# Allegro board HI3516AREFB VER.D.brd
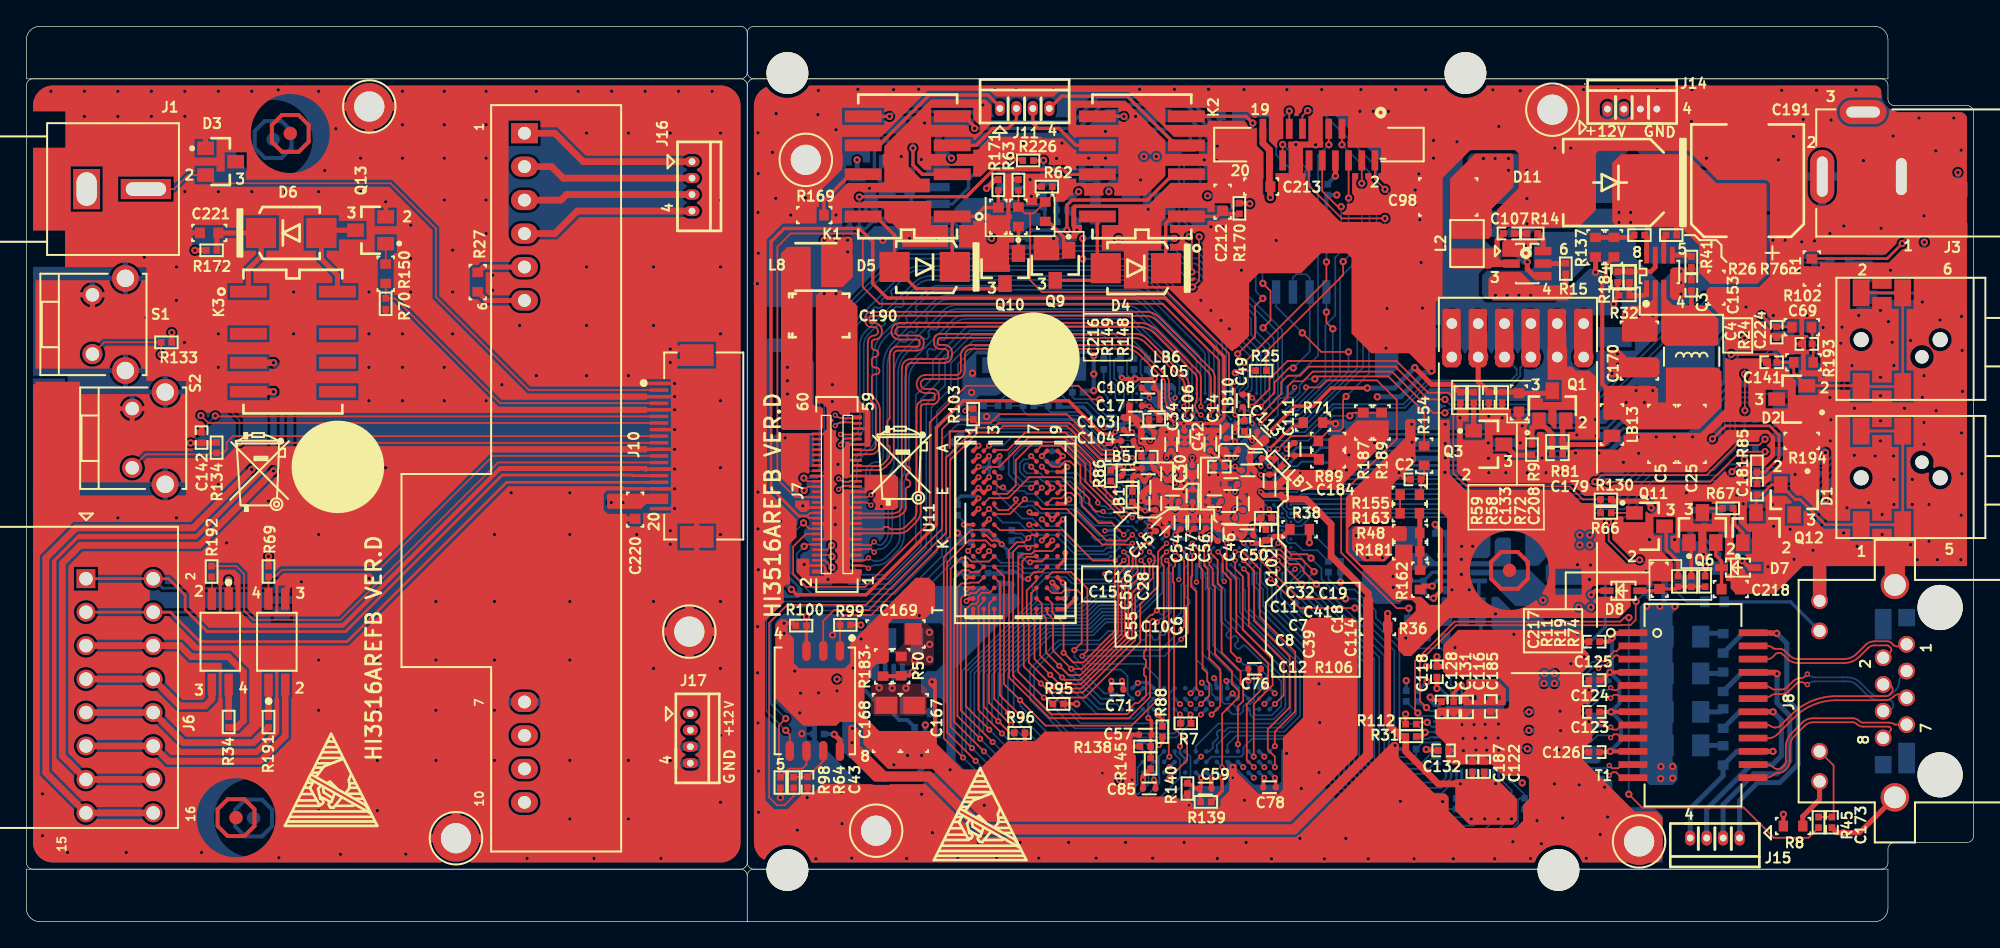
[diagram p0: board, top side]
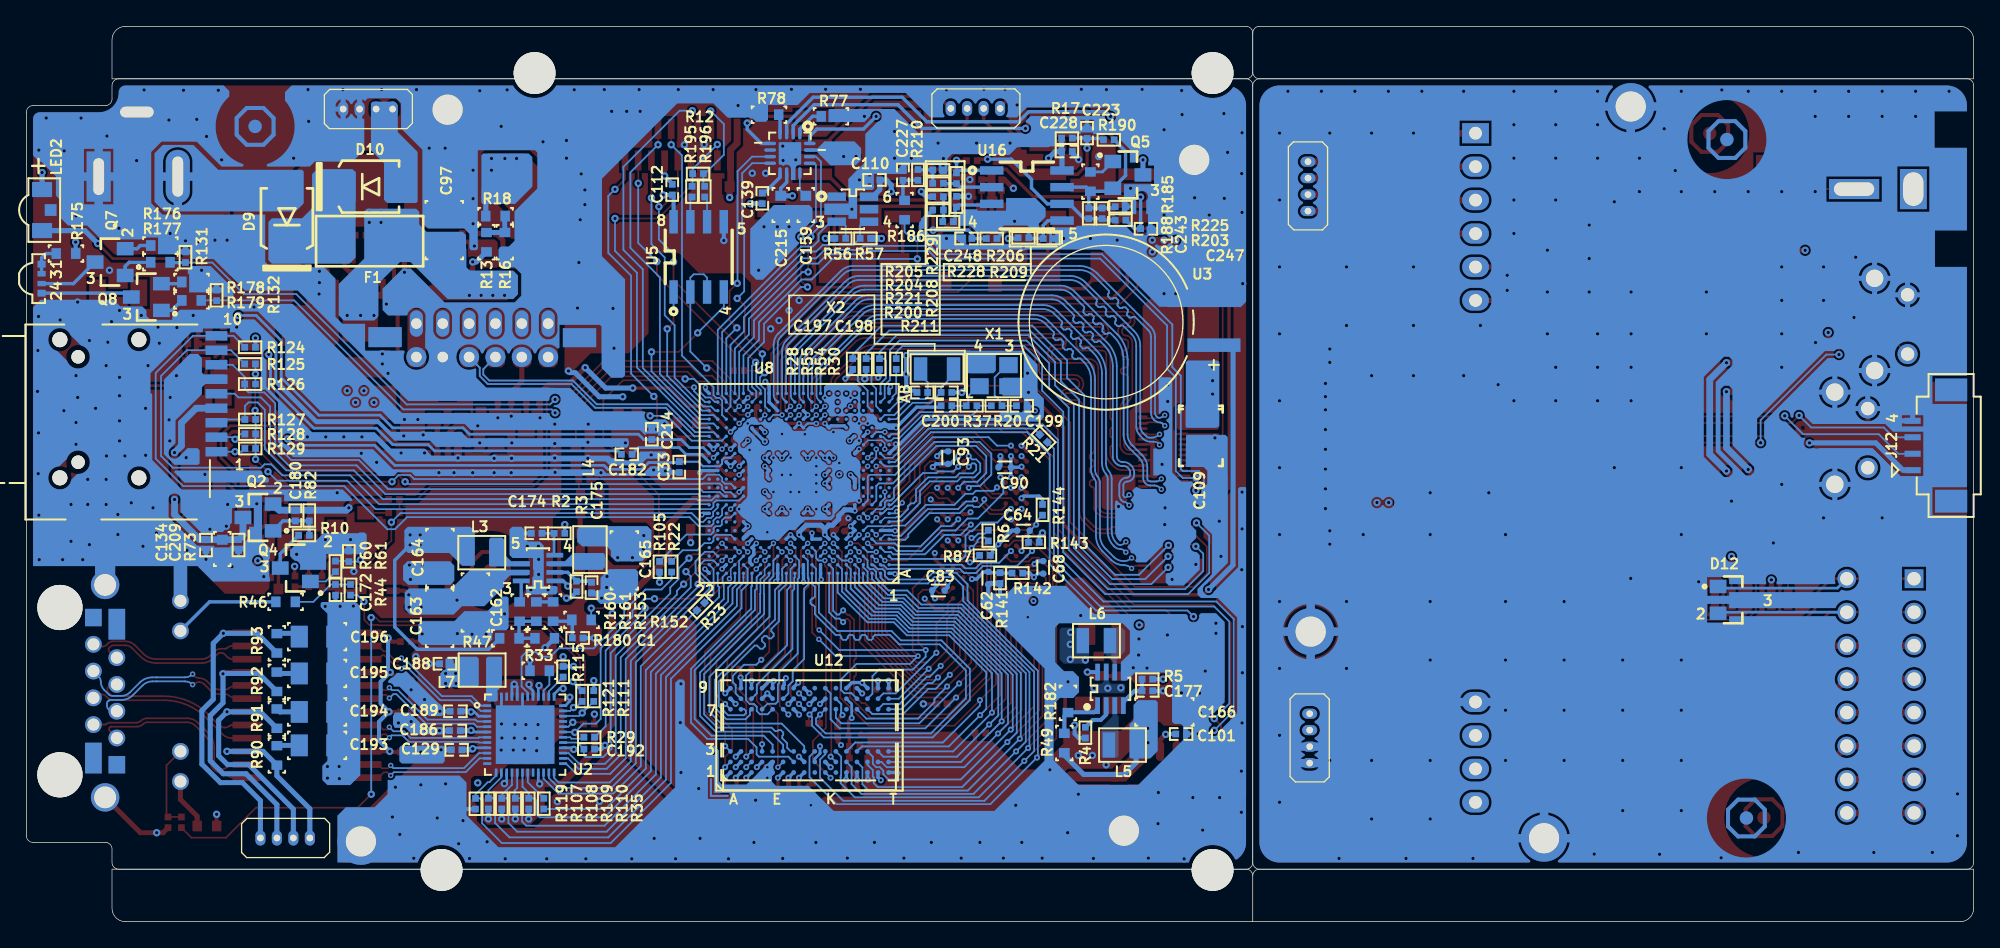
[diagram p1: board, bottom side, seen from below]

Outline 147.74 x 67.97 mm; copper layers: TOP, POWER02, GND03, BOTTOM. Coordinates in mm from the lower left corner of the outline.
Outline path: 54.19,3.98 0,3.98 0,1.02 arc(0.3,0.3) 1.02,0 54.69,0 ; 54.19,3.98 0.51,3.98 arc(0.15,4.13) 0,4.49 0,63.48 arc(0.15,63.84) 0.51,63.98 54.19,63.98 ; 54.19,3.98 arc(54.55,3.84) 54.69,3.48 ; 54.19,3.98 arc(54.55,4.13) 54.69,4.49 ; 54.19,63.98 0,63.98 0,66.95 arc(0.3,67.67) 1.02,67.97 54.19,67.97 arc(54.55,67.82) 54.69,67.46 ; 54.19,63.98 arc(54.55,63.84) 54.69,63.48 ; 54.19,63.98 arc(54.55,64.13) 54.69,64.49 ; 54.69,0 54.69,3.48 ; 54.69,0 140.23,0 arc(140.94,0.3) 141.24,1.02 141.24,3.98 55.2,3.98 ; 54.69,67.46 54.69,64.49 ; 54.69,67.46 arc(54.84,67.82) 55.2,67.97 140.23,67.97 arc(140.94,67.67) 141.24,66.95 141.24,63.98 55.2,63.98 ; 54.69,67.46 54.69,64.49 ; 54.69,63.48 54.69,4.49 ; 54.69,63.48 arc(54.84,63.84) 55.2,63.98 ; 54.69,63.48 54.69,4.49 ; 54.69,3.48 arc(54.84,3.84) 55.2,3.98 ; 54.69,64.49 arc(54.84,64.13) 55.2,63.98 ; 54.69,4.49 arc(54.84,4.13) 55.2,3.98 ; 55.2,63.98 140.73,63.98 arc(141.09,63.84) 141.24,63.48 141.24,62.46 arc(141.39,62.1) 141.75,61.95 147.23,61.95 arc(147.59,61.8) 147.74,61.44 147.74,6.52 arc(147.59,6.16) 147.23,6.02 141.75,6.02 arc(141.39,5.87) 141.24,5.51 141.24,4.49 arc(141.09,4.13) 140.73,3.98 55.2,3.98

## Design rules (mm)
constraint set DEFAULT: min track width 0.127
net group $5N57: nets 12V0 $5N57
net group $5N390: nets 1V8 $5N390
net group $5N494: nets $5N494 $5N578
net group $5N521: nets $5N521 $5N524
net group $9N11: nets $9N9 $9N11
net group $9N193: nets $9N193 EPHY_CLK
net group $9N253: nets $9N253 RGMII_TX_CLK
net group $9N273: nets $9N273 MDCK
net group $9N302: nets $9N302 SYS_RSTN_OUT
net group $9N313: nets $9N313 SFC_CLK/SFC_BOOT_MODE
net group $10N55: nets $10N55 SENSOR_CLK
net group $11N297: nets $11N297 FLASH_TRIG
net group $12N30: nets $12N30 RGMII_RX_CLK
net group $12N424: nets $12N424 POE_VB2
net group $12N434: nets $12N434 POE_VB1
net group $12N437: nets $12N437 POE_VA2
net group $12N444: nets $12N444 POE_VA1
net group $14N24: nets $14N24 LED1_LINKE/PHY_AD1
net group $14N29: nets $14N29 LED0_ACTIVE/PHY_AD0
net group $15N48: nets $15N48 $15N51
net group $15N50: nets $15N50 SDIO1_CARD_POWER_EN
net group $16N171: nets $16N171 DC_IRIS_PWM
net group $18N72: nets $18N72 LED2
net group $18N416: nets $18N416 MUTE
net group $18N425: nets $18N425 $18N427
net group $18N440: nets $18N440 $18N442
net group $18N491: nets $18N491 AC_MICBIAS
net group $19N66: nets $19N66 FLASH_CON
net group $19N229: nets $19N229 $19N230
net group DDR3_CLK0: nets DDR3_CLK0_N DDR3_CLK0_P
net group DDR3_CLK1: nets DDR3_CLK1_N DDR3_CLK1_P
net group DDR3_DQS0: nets DDR3_DQS0_N DDR3_DQS0_P
net group DDR3_DQS1: nets DDR3_DQS1_N DDR3_DQS1_P
net group DDR3_DQS2: nets DDR3_DQS2_N DDR3_DQS2_P
net group DDR3_DQS3: nets DDR3_DQS3_N DDR3_DQS3_P
net group MDI_0: nets MDI_0+ MDI_0-
net group MDI_1: nets MDI_1+ MDI_1-
net group MDI_2: nets MDI_2+ MDI_2-
net group MDI_3: nets MDI_3+ MDI_3-
net group MIPI0_CK: nets MIPI0_CKM MIPI0_CKP
net group MIPI0_D0: nets MIPI0_D0M MIPI0_D0P
net group MIPI0_D1: nets MIPI0_D1M MIPI0_D1P
net group MIPI0_D2: nets MIPI0_D2M MIPI0_D2P
net group MIPI0_D3: nets MIPI0_D3M MIPI0_D3P
net group MIPI1_CK: nets MIPI1_CKM MIPI1_CKP
net group MIPI1_D0: nets MIPI1_D0M MIPI1_D0P
net group MIPI1_D1: nets MIPI1_D1M MIPI1_D1P
net group MIPI1_D2: nets MIPI1_D2M MIPI1_D2P
net group MIPI1_D3: nets MIPI1_D3M MIPI1_D3P
net group MX1: nets MX1+ MX1-
net group MX2: nets MX2+ MX2-
net group MX3: nets MX3+ MX3-
net group MX4: nets MX4+ MX4-
net group RS485_A: nets RS485_A RS485_B
net group SFC_CSN1: nets SFC_CSN1 SFC_SDI_IO1
net group USB: nets USB_DM USB_DP
net group 3V3_CON: nets ALARM_IN_CON ONE_KEY_RECOVERY_CON WPS_CON
net group $5N319: nets 1V1_MEDIA_CORE $5N319 $5N360 $5N362 $5N366 SVB_PWM_MEDIA
net group $5N325: nets $5N325 $5N371 $5N373 $5N376 SVB_PWM_VDD_DDR_CPU
net group $14N104: nets $14N96 $14N104 $14N159
net group $16N147: nets $16N147 $16N148 $16N152
net group $17N132: nets $17N87 $17N132 GPIO5
net group DDR: nets DDR3_A0 DDR3_A1 DDR3_A2 DDR3_A3 DDR3_A4 DDR3_A5 DDR3_A6 DDR3_A7 DDR3_A8 DDR3_A9 DDR3_A10 DDR3_A11 DDR3_A12 DDR3_A13 DDR3_A14 DDR3_BA0 DDR3_BA1 DDR3_BA2 DDR3_CAS_N DDR3_CKE DDR3_CS0_N DDR3_CS1_N DDR3_DM0 DDR3_DM1 DDR3_DM2 DDR3_DM3 DDR3_DQ0 DDR3_DQ1 DDR3_DQ2 DDR3_DQ3 DDR3_DQ4 DDR3_DQ5 DDR3_DQ6 DDR3_DQ7 DDR3_DQ8 DDR3_DQ9 DDR3_DQ10 DDR3_DQ11 DDR3_DQ12 DDR3_DQ13 DDR3_DQ14 DDR3_DQ15 DDR3_DQ16 DDR3_DQ17 DDR3_DQ18 DDR3_DQ19 DDR3_DQ20 DDR3_DQ21 DDR3_DQ22 DDR3_DQ23 DDR3_DQ24 DDR3_DQ25 DDR3_DQ26 DDR3_DQ27 DDR3_DQ28 DDR3_DQ29 DDR3_DQ30 DDR3_DQ31 DDR3_ODT_0 DDR3_ODT_1 DDR3_RAS_N DDR3_RESET_N DDR3_WE_N DDR3_ZQ
net group DVDDIO_ETH: nets DVDDIO_ETH MDIO RGMII_RXD0/SELRGV RGMII_RXD1/TXDLY RGMII_RXD3/AN1
net group PWR: nets PGND
net group SDIO1_CCMD: nets SDIO1_CCMD SDIO1_CDATA0 SDIO1_CDATA1 SDIO1_CDATA2 SDIO1_CDATA3 SDIO1_VOUT
net group SPI0_CLK/I2C0_SCL: nets SPI0_CLK/I2C0_SCL SPI0_CSN SPI0_MOSI/I2C0_SDA VI_POWER_SENSOR

## Placement (name value [footprint] x y rotation side)
C1  2.2UF  [HSC0402]  105.91 21.53 180 bottom
C2  2.2UF  [HSC0402]  105.42 33.57 180 top
C3  100NF  [SC0402]  126.32 48.31 270 top
C4  100NF  [SC0402]  120.73 48.94 270 top
C5  22UF/NC  [SC1206]  124.09 37.03 270 top
C6  1UF  [SC0402-BGA]  88.48 32.33 90 top
C7  1UF  [SC0402-BGA]  91.4 33.22 180 top
C8  1UF  [SC0402-BGA]  90.14 31.92 180 top
C10  1UF  [SC0402-BGA]  86.95 31.9 180 top
C11  4.7UF  [SC0402]  90.51 34.54 180 top
C12  2.2UF  [SC0402-BGA]  91.22 30.65 180 top
C14  2.2UF  [SC0402-BGA]  91.04 37.18 90 top
C15  2.2UF  [SC0402-BGA]  83.57 33.86 180 top
C16  2.2UF  [SC0402-BGA]  85.12 34.41 180 top
C17  2.2UF  [SC0402-BGA]  84.16 39.16 180 top
C18  2.2UF  [SC0402-BGA]  94.32 33.47 270 top
C19  2.2UF  [SC0402-BGA]  93.25 35.18 180 top
C25  22UF  [SC1206]  126.37 37.03 270 top
C28  1UF  [SC0402-BGA]  86.55 34.01 90 top
C30  1UF  [SC0402-BGA]  88.45 34.18 270 top
C32  1UF  [SC0402-BGA]  91.45 35.81 180 top
C33  1NF/NC  [SC0402]  98.21 34.51 270 bottom
C34  1UF  [SC0402-BGA]  86.85 36.22 90 top
C39  100NF  [SC0402-BGA]  92.31 31.72 90 top
C41  100NF  [SC0402-BGA]  92.68 34.26 0 top
C42  100NF  [SC0402-BGA]  89.83 36.25 90 top
C43  1NF  [SC0402]  59.27 10.59 270 top
C45  1UF  [SC0402-BGA]  86.04 29.99 45 top
C46  1UF  [SC0402-BGA]  90.38 29.38 90 top
C47  1UF  [SC0402-BGA]  88.6 30.31 90 top
C49  100NF  [SC0402-BGA]  92.29 39.54 90 top
C50  100NF  [SC0402-BGA]  92.62 29.33 180 top
C51  100NF  [SC0402-BGA]  84.83 32.98 270 top
C54  100NF  [SC0402-BGA]  87.56 30.27 90 top
C55  100NF  [SC0402-BGA]  85.66 31.75 90 top
C56  100NF  [SC0402-BGA]  89.49 30.33 90 top
C57  1UF  [SC0402-BGA]  84.89 14.19 180 top
C59  1UF  [SC0402-BGA]  89.44 10.11 0 top
C62  1UF  [SC0402-BGA]  74.76 26.08 270 bottom
C64  1UF  [SC0402-BGA]  72.09 29.69 0 bottom
C68  1UF  [SC0402-BGA]  70.59 26.89 90 bottom
C69  2.2UF  [HSC0402]  135.08 43.86 180 top
C71  1UF  [SC0402-BGA]  82.76 17.62 180 top
C76  1UF  [SC0402-BGA]  93.19 19.2 0 top
C78  1UF  [SC0402-BGA]  94.32 10.21 180 top
C83  1UF  [SC0402-BGA]  78.54 25.14 180 bottom
C85  1UF  [SC0402-BGA]  85.19 10.11 0 top
C90  1UF  [SC0402-BGA]  73.52 34.49 0 bottom
C93  1UF  [SC0402-BGA]  77.81 35.23 90 bottom
C97  22UF  [SC1210]  116.03 52.5 90 bottom
C98  22UF  [SC1210]  107.88 55.01 180 top
C101  100NF  [SC0402]  60.13 14.25 180 bottom
C102  4.7UF  [SC0402]  94.04 29.36 90 top
C103  100NF  [SC0402-BGA]  83.27 37.82 90 top
C104  100NF  [SC0402-BGA]  83.53 36.49 180 top
C105  100NF  [SC0402-BGA]  85.1 37.12 180 top
C106  1UF  [SC0402-BGA]  87.87 36.8 270 top
C107  1UF  [SC0402]  112.48 52.24 180 top
C108  1UF/NC  [SC0402-BGA]  85.1 40.53 180 top
C109  220UF  [STC3528]  58.63 36.88 270 bottom
C110  100NF  [SC0402]  83.4 56.31 0 bottom
C111  100NF  [SC0402-BGA]  96.22 35.86 90 top
C112  100NF  [SC0402]  98.74 55.57 90 bottom
C113  100NF  [SC0402-BGA]  93.72 36.84 315 top
C114  100NF  [SC0402-BGA]  95.21 32.83 90 top
C116  100NF  [SC0402]  109.3 16.3 270 top
C118  100NF  [SC0402]  107.02 18.97 90 top
C122  100NF  [SC0402]  110.6 11.77 90 top
C123  100NF  [SC0402]  118.96 15.92 180 top
C124  100NF  [SC0402]  118.96 18.33 180 top
C125  100NF  [SC0402]  118.96 21.26 180 top
C126  100NF  [SC0402]  118.96 12.87 180 top
C128  100NF  [SC0402]  107.37 16.3 270 top
C129  100NF  [SC0402]  115.1 13.05 0 bottom
C131  100NF  [SC0402]  108.29 16.3 270 top
C132  100NF  [SC0402]  107.53 13 0 top
C133  100NF  [SC0402]  110.95 39.8 270 top
C134  100NF  [SC0402]  134.11 28.59 270 bottom
C139  100NF  [SC0402]  91.9 54.91 270 bottom
C141  33PF  [SC0402]  132.42 42.46 180 top
C142  100NF  [SC0402]  13.29 36.75 90 top
C153  100NF  [SC0603]  128.23 48.13 270 top
C159  2.2UF  [SC0603]  88.6 54.4 90 bottom
C162  22UF  [SC1206]  113.67 24.23 270 bottom
C163  22UF  [SC1206]  116.39 23.06 270 bottom
C164  22UF  [SC1206]  116.37 27.61 270 bottom
C165  22UF  [SC1206]  102.37 27.43 270 bottom
C166  22UF  [SC1206]  61.4 15.92 180 bottom
C167  22UF  [SC1206]  67.37 15.08 270 top
C168  22UF/NC  [SC1206]  65.26 15.08 270 top
C169  22UF  [SC1206]  65.95 21.84 180 top
C170  22UF  [SC1210]  122.38 43.35 270 top
C172  22PF  [SC0402]  124.29 25.19 270 bottom
C173  22PF  [SC0402]  136.99 7.54 270 top
C174  2.2UF  [HSC0402]  109.02 29.49 0 bottom
C175  2.2UF  [HSC0402]  104.86 25.36 270 bottom
C177  1UF  [SC0402]  62.69 17.52 180 bottom
C179  1UF  [SC0402]  116.16 35.48 180 top
C180  1UF  [SC0402]  127.33 30.83 270 bottom
C181  1UF  [SC0402]  131.31 32.82 90 top
C182  4.7UF  [SC0402]  102.19 35.48 0 bottom
C184  10UF  [SC0603]  98.76 35.1 0 top
C185  4.7UF  [SC0402]  111.11 16.34 270 top
C186  4.7UF  [SC0402]  115.23 14.5 0 bottom
C187  4.7UF  [SC0402]  109.72 11.77 90 top
C188  4.7UF  [SC0402]  115.98 19.58 0 bottom
C189  100NF  [SC0402]  115.19 15.97 0 bottom
C190  220UF  [STC3528]  60.15 46.02 0 top
C191  220UF  [SCAPC2-280-327]  130.59 56.26 90 top
C192  1NF  [SC0402]  105.03 13.1 180 bottom
C193  1NF  [SC1206]  125.69 13.38 180 bottom
C194  1NF  [SC1206]  125.69 15.92 180 bottom
C195  1NF  [SC1206]  125.69 18.84 180 bottom
C196  1NF  [SC1206]  125.69 21.64 180 bottom
C197  22PF  [SC0402]  79.76 40.18 0 bottom
C198  22PF  [SC0402]  77.93 40.18 180 bottom
C199  15PF  [SC0402]  72.22 39.16 180 bottom
C200  15PF  [SC0402]  77.93 39.16 0 bottom
C208  10UF  [SC0603]  113.24 39.42 270 top
C209  10UF  [SC0603]  132.88 28.29 270 bottom
C212  10UF  [SC0603]  90.76 54.66 90 top
C213  10UF  [SC0603]  93.68 55.8 180 top
C214  4.7UF  [SC0402]  100.29 37 90 bottom
C215  10UF  [SC0603]  90.51 54.4 270 bottom
C216  10UF  [SC0603]  73.74 53.51 270 top
C217  10UF  [SC0603]  123.91 25.95 90 top
C218  10UF  [SC0603]  129.32 25.25 0 top
C220  10UF  [SC0603]  46.18 31.28 270 top
C221  10UF  [SC0603]  13.87 52.29 180 top
C223  5.6PF  [SC0402]  67.27 59.86 90 bottom
C224  100NF  [SC0402]  132.8 44.75 270 top
C227  100NF  [SC0402]  81.24 56.69 90 bottom
C228  100NF  [SC0402]  68.79 58.47 180 bottom
C243  1UF  [SC0402]  66.12 53.77 90 bottom
C247  15PF  [SC0402]  62.8 52.6 180 bottom
C248  15PF  [SC0402]  76.41 51.86 0 bottom
D1  D2-3_D  [SOT23]  134.13 32.03 180 top
D2  D2-3_D  [SOT23]  133.94 39.67 90 top
D3  D2-3_D  [SOT23]  14.74 57.7 270 top
D4  D  [SD1714A]  84.18 49.61 0 top
D5  D  [SD1714A]  68.16 49.7 0 top
D6  D  [SD1714A]  20.1 52.29 180 top
D7  D_A  [SOD323]  129.86 26.87 180 top
D8  D_A  [SOD323]  121.17 25.12 180 top
D9  DIODE  [SD1714A]  127.97 53.51 270 bottom
D10  DIODE  [SD1714A]  121.62 55.8 0 bottom
D11  DZ  [SD2723]  120.16 56.11 0 top
D12  D2-3_D  [SOT23]  18.24 24.43 270 bottom
F1  SSQ2_A  [SF6127]  121.7 51.66 180 bottom
J1  AV_84_5Y_HW  [VAF2]  4.57 55.61 270 top
J2  HEAD1_6  [WL-UW163DN]  118.15 42.86 180 top
J3  DC2026_00  [PWC0103-M-N]  142.25 56.56 0 top
J4  AUDIO  [PHONEJ6]  142.66 33.69 180 top
J5  AUDIO  [PHONEJ6]  142.66 44.18 180 top
J6  CON  [HD2X8_2_54]  9.62 8.26 90 top
J7  MIPI_60_CON  [SED60-16F-A]  61.5 32.43 90 top
J8  E5J88_14LJ24_L  [MJ8-SRLFY]  142.66 21.06 270 top
J9  FPC-20  [FPC20-1_0MM]  98.07 58.99 0 top
J10  -  [FPC-20]  51.39 36.11 90 top
J11  SDW12501_4A_HW  [WBC0104-49T]  73.86 61.73 0 top
J12  SDW12501_4A_HW  [WTB4-1_25]  1.89 36.15 270 bottom
J13  TF-CARD  [TF_CARD-MISOSD]  143.82 37.93 270 bottom
J14  SDW12501_4A_HW  [WBC0104-49T]  119.96 61.69 0 top
J15  SDW12501_4A_HW  [WBC0104-49T]  129.98 6.35 180 top
J16  SDW12501_4A_HW  [WBC0104-49T]  50.5 57.7 270 top
J17  SDW12501_4A_HW  [WBC0104-49T]  50.38 15.79 270 top
K1  UD2_3NU_L5  [SRLY8-87-283]  66.87 57.33 90 top
K2  UD2_3NU_L5  [SRLY8-87-283]  84.64 57.33 90 top
K3  UD2_3NU_L5  [SRLY8-87-283]  20.22 44.03 270 top
L1  4.7UH  [L4018]  126.35 42.9 270 top
L2  2.2UH  [HSL1008]  109.3 51.48 90 top
L3  2.2UH  [HSL1008]  113.19 28.01 180 bottom
L4  2.2UH  [HSL1008]  104.99 28.24 90 bottom
L5  2.2UH  [HSL1008]  64.57 13.41 180 bottom
L6  2.2UH  [HSL1008]  66.56 21.33 180 bottom
L7  2.2UH  [HSL1008]  113.16 19.1 0 bottom
L8  4.7U  [SPL0303A]  59.9 49.7 0 top
LB1  BLM15HG102SN1D  [SL0402]  83.91 32.26 270 top
LB5  BLM15HG102SN1D  [SL0402]  85 35.3 0 top
LB6  BLM15HG102SN1D  [SL0402]  85.57 38.12 0 top
LB7  BLM15HG102SN1D  [SL0402]  94.98 34.87 135 top
LB10  BLM15HG102SN1D  [SL0402]  92.41 37.64 270 top
LB13  MGLB2012_220T_LF  [SL0805]  120.3 37.74 270 top
LED1  LED2-4_A  [LED4-SMD]  147.04 48.81 90 bottom
LED2  LED  [SD3-1208-LED]  146.55 54.02 90 bottom
M5  HOLE  [HOLE140-90]  115.78 61.64 180 top
M6  HOLE  [HOLE140-90]  122.36 6.09 180 top
M7  HOLE  [HOLE140-90]  59.14 57.83 0 top
M8  HOLE  [HOLE140-90]  64.47 6.9 0 top
M9  HOLE  [HOLE140-90]  32.6 6.33 180 top
M10  HOLE  [HOLE140-90]  26.02 61.88 180 top
M11  HOLE  [HOLE140-90]  50.3 22.02 0 top
NOREF  -  []  19.6 238.02 0 top
NOREF#2  -  []  3.03 194.38 0 top
NOREF#3  -  []  -181.12 -52.35 0 top
NOREF#4  -  []  24.14 34.75 0 top
NOREF#5  -  []  22.44 10.27 0 top
NOREF#6  -  []  76.92 42.97 0 top
NOREF#7  -  []  1.02 0 90 top
NOREF#8  -  []  1.12 0 90 top
NOREF#9  -  [unnamed#2]  109.18 64.42 0 top
NOREF#10  -  []  117.25 229.54 0 top
NOREF#11  -  []  68.94 34.73 0 top
NOREF#12  -  []  0 4.49 0 top
NOREF#13  -  []  0 4.49 0 top
NOREF#14  -  [unnamed#3]  112.53 26.67 0 top
NOREF#15  -  []  20.24 34.25 0 top
NOREF#16  -  [unnamed#2]  57.74 3.92 0 top
NOREF#17  -  []  141.24 63.98 0 top
NOREF#18  -  [unnamed#3]  15.91 7.9 0 top
NOREF#19  -  [unnamed#2]  116.24 3.92 0 top
NOREF#20  -  [unnamed#2]  57.74 64.42 0 top
NOREF#21  -  []  71.68 7.67 0 top
NOREF#22  -  []  0.63 3.98 90 top
NOREF#23  -  []  54.69 4.49 0 top
NOREF#24  -  []  147.23 6.02 90 top
NOREF#25  -  [unnamed#3]  20.02 59.84 0 top
NOREF#26  -  [unnamed#3]  130.39 60.37 180 bottom
NOREF#27  -  [unnamed#3]  17.24 7.87 180 bottom
NOREF#28  -  [unnamed#3]  18.72 59.38 180 bottom
Q1  PMOS-GSD  [SOT23]  115.78 39.16 0 top
Q2  PMOS-GSD  [SOT23]  130.16 30.68 90 bottom
Q3  NPN-BEC  [SOT23]  110.95 36.24 270 top
Q4  NPN-BEC  [SOT23]  127.34 26.84 90 bottom
Q5  NC  [SOT23]  64.17 56.69 270 bottom
Q6  BC858AE6327  [SOT23]  127.16 29.92 0 top
Q7  NPN-BEC  [SOT23]  141.39 50.07 90 bottom
Q8  NPN-BEC  [SOT23]  138.64 47.42 90 bottom
Q9  NPN-BEC  [SOT23]  78.06 49.83 180 top
Q10  NPN-BEC  [SOT23]  74.25 49.58 180 top
Q11  NPN-BEC  [SOT23]  123.15 30.02 270 top
Q12  NPN-BEC  [SOT23]  131.24 29.91 0 top
Q13  NPN-BEC  [SOT23]  26.12 52.49 90 top
R1  510  [SR0603]  135.47 49.58 270 top
R2  61.9K  [SR0402]  107.3 29.48 0 bottom
R3  61.9K  [SR0402]  106 25.45 90 bottom
R4  100K  [SR0402]  67.39 14.35 90 bottom
R5  33K  [SR0402]  62.69 18.41 0 bottom
R6  100  [SR0402]  74.76 29.31 90 bottom
R7  100  [SR0402]  87.97 15.06 0 top
R8  510  [SR0603]  134.04 7.26 180 top
R9  100  [SR0402]  114.23 35.84 90 top
R10  100  [SR0402]  126.68 29.33 180 bottom
R11  100  [SR0402]  125.31 25.83 270 top
R12  120  [SR0402]  96.78 56.79 0 bottom
R13  75K  [SR0603]  112.83 51.58 90 bottom
R14  18  [SR0402]  114.26 52.24 180 top
R15  100K  [SR0402]  116.8 49.58 90 top
R16  7.68K  [SR0603]  111.44 51.58 270 bottom
R17  4.7K  [SR0402]  68.79 59.48 180 bottom
R18  40.2K  [SR0603]  112.15 53.56 0 bottom
R19  27K  [SR0402]  126.32 25.83 90 top
R20  10  [SR0402]  74.12 39.16 180 bottom
R21  33  [SR0402]  70.57 36.69 45 bottom
R22  33  [SR0402]  98.79 26.95 90 bottom
R23  33  [SR0402]  96.58 23.92 135 bottom
R24  100K  [SR0402]  121.62 48.94 270 top
R25  0  [SR0402]  93.68 41.83 180 top
R26  33K  [SR0402]  122.38 52.12 180 top
R27  1.27K  [SR0603]  34.25 48.55 90 top
R28  4.7K  [SR0402]  85.05 42.34 270 bottom
R29  33  [SR0402]  105.03 14 180 bottom
R30  33  [SR0402]  81.74 42.34 270 bottom
R31  4.7K  [SR0402]  105.06 14.07 0 top
R32  11.3K  [SR0402]  121.24 47.54 180 top
R33  2.49K  [SR0603]  108.8 19.05 0 bottom
R34  330  [SR0402]  15.35 15.16 270 top
R35  33  [SR0402]  108.48 8.96 90 bottom
R36  0/NC  [SR0603]  102.55 22.37 0 top
R37  1MEG  [SR0402]  76.03 39.16 180 bottom
R38  0  [SR0603]  96.6 29.79 180 top
R41  10  [SR0402]  126.32 50.08 270 top
R44  0  [SR0402]  123.15 25.19 270 bottom
R45  0  [SR0402]  135.97 7.54 270 top
R46  510  [SR0603]  128.07 24.28 180 bottom
R47  12.7K  [SR0603]  111.1 21.51 180 bottom
R48  12.7K  [SR0603]  104.99 29.51 180 top
R49  300K  [SR0603]  68.99 13.56 270 bottom
R50  576K  [SR0603]  66.38 19.4 270 top
R54  1K  [SR0402]  83.01 42.34 270 bottom
R55  1K  [SR0402]  84.03 42.34 270 bottom
R56  1K  [SR0402]  85.99 51.87 0 bottom
R57  1K  [SR0402]  84.08 51.87 180 bottom
R58  1K  [SR0402]  109.81 39.8 270 top
R59  1K  [SR0402]  108.8 39.8 90 top
R60  1K  [SR0402]  124.29 26.97 270 bottom
R61  1K  [SR0402]  123.27 27.73 270 bottom
R62  1K  [SR0402]  77.43 55.8 0 top
R63  1K  [SR0402]  75.27 55.93 270 top
R64  0  [SR0402]  58.22 10.56 270 top
R66  1K  [SR0402]  119.84 31.03 180 top
R67  1K  [SR0402]  129.09 31.38 180 top
R69  1K  [SR0402]  18.37 26.58 90 top
R70  1K  [SR0402]  27.26 46.9 90 top
R71  1.13K  [SR0603]  97.62 37.89 180 top
R72  10K  [SR0402]  111.97 39.8 90 top
R73  10K  [SR0402]  131.65 28.59 90 bottom
R74  10K  [SR0402]  127.37 25.83 90 top
R76  100K  [SR0402]  124.8 52.12 180 top
R77  1  [SR0603]  86.7 61.13 180 bottom
R78  1  [SR0603]  91.4 61.26 0 bottom
R81  2K  [SR0402]  116.16 36.5 0 top
R82  2K  [SR0402]  126.28 30.83 90 bottom
R85  470K  [SR0402]  131.3 34.54 270 top
R86  240  [SR0402]  82.28 33.85 270 top
R87  240  [SR0402]  75.01 27.81 0 bottom
R88  240  [SR0402]  86.19 14.42 90 top
R89  75  [SR0603]  98.76 36.5 180 top
R90  75  [SR0603]  128.73 12.62 90 bottom
R91  75  [SR0603]  128.73 15.41 90 bottom
R92  75  [SR0603]  128.73 18.21 90 bottom
R93  75  [SR0603]  128.73 21.13 90 bottom
R95  4.7K  [SR0402]  78.29 16.53 180 top
R96  4.7K  [SR0402]  75.36 14.33 180 top
R98  4.7K/NC  [SR0402]  57.21 10.56 90 top
R99  4.7K  [SR0402]  62.14 22.53 0 top
R100  4.7K  [SR0402]  58.78 22.48 0 top
R102  1.1K  [SR0603]  134.7 45.13 180 top
R103  4.7K  [SR0402]  71.84 38.53 90 top
R105  4.7K  [SR0402]  99.7 26.95 270 bottom
R106  4.7K  [SR0402]  94.06 30.65 0 top
R107  4.7K  [SR0402]  112.69 8.96 90 bottom
R108  4.7K  [SR0402]  111.67 8.95 90 bottom
R109  4.7K  [SR0402]  110.65 8.96 90 bottom
R110  4.7K  [SR0402]  109.63 8.96 90 bottom
R111  4.7K  [SR0402]  104.69 17.13 90 bottom
R112  4.7K  [SR0402]  105.05 15 0 top
R115  4.7K  [SR0402]  107.02 18.97 270 bottom
R119  4.7K  [SR0402]  113.67 8.95 270 bottom
R121  4.7K  [SR0402]  105.58 17.13 90 bottom
R124  4.7K  [SR0402]  130.77 43.61 180 bottom
R125  4.7K  [SR0402]  130.77 42.34 180 bottom
R126  4.7K  [SR0402]  130.77 40.81 180 bottom
R127  4.7K  [SR0402]  130.76 38.12 180 bottom
R128  4.7K  [SR0402]  130.76 37.02 180 bottom
R129  4.7K  [SR0402]  130.76 35.92 180 bottom
R130  4.7K  [SR0402]  119.84 32.05 0 top
R131  4.7K  [SR0402]  135.67 50.44 270 bottom
R132  4.7K  [SR0402]  133.31 47.54 270 bottom
R133  4.7K  [SR0402]  10.62 43.98 0 top
R134  4.7K  [SR0402]  14.43 35.99 90 top
R137  10.7K  [SR0603]  119.06 51.2 270 top
R138  1K  [SR0402]  84.89 13.31 0 top
R139  1K  [SR0402]  89.49 9.09 0 top
R140  1K  [SR0402]  88.09 10.11 90 top
R141  1K  [SR0402]  73.87 26.08 90 bottom
R142  1K  [SR0402]  72.55 26.46 180 bottom
R143  1K  [SR0402]  71.31 28.8 0 bottom
R144  1K  [SR0402]  70.65 31.26 90 bottom
R145  1K  [SR0402]  85.3 12.01 270 top
R148  2K  [SR0603]  77.3 53.89 270 top
R149  2K  [SR0603]  75.27 53.51 270 top
R150  2K  [SR0603]  27.26 49.19 90 top
R152  1K  [SR0603]  105.62 22.91 0 bottom
R153  499  [SR0603]  107.78 23.54 90 bottom
R154  1K  [SR0603]  106.05 35.38 90 top
R155  499  [SR0603]  104.96 32.41 0 top
R160  150K  [SR0603]  110.32 23.54 90 bottom
R161  80.6K  [SR0603]  109.05 23.54 270 bottom
R162  150K  [SR0603]  105.75 25.95 90 top
R163  80.6K  [SR0603]  104.96 31.01 180 top
R169  0  [SR0603]  59.77 53.64 0 top
R170  10  [SR0402]  92.03 54.15 270 top
R171  10  [SR0402]  73.74 55.93 270 top
R172  10  [SR0402]  14.05 50.97 0 top
R175  100  [SR0603]  144.74 50.72 0 bottom
R176  100  [SR0603]  137.57 51.33 0 bottom
R177  100  [SR0603]  137.57 50.06 0 bottom
R178  100  [SR0603]  135.21 48.56 0 bottom
R179  100  [SR0603]  135.21 47.16 0 bottom
R180  12.7K  [SR0603]  108.41 21.51 180 bottom
R181  12.7K  [SR0603]  104.99 28.11 180 top
R182  150K  [SR0603]  68.71 16.61 90 bottom
R183  470K  [SR0603]  65.01 19.38 90 top
R184  33.2K  [SR0603]  120.45 51.2 90 top
R185  100/NC  [SR0603]  67.01 56.18 90 bottom
R186  100  [SR0603]  81.11 54.02 90 bottom
R187  270  [SR0603]  101.43 37.89 90 top
R188  1MEG  [SR0402]  67.14 53.77 90 bottom
R189  270  [SR0603]  102.83 37.89 90 top
R190  10  [SR0402]  65.62 59.36 0 bottom
R191  330  [SR0402]  18.37 15.15 270 top
R192  330  [SR0402]  14.05 26.58 270 top
R193  1.1K  [SR0603]  134.83 42.46 0 top
R194  0  [SR0603]  134.7 36.5 0 top